# Altium PCB TempdevAmmy1207.PcbDoc (part 4 of 5)
Units mm, origin at the board's own origin, x right, y up, seen from the top; angles counter-clockwise.
Board outline 80.31 x 100.3 mm, 4 copper layers (Top Layer, S1, S2, Bottom Layer), stack 0.603 mm thick; 947 components, 585 nets, 3026 pads, 277 vias.
Unrouted connection lines stored in the file: 1675.
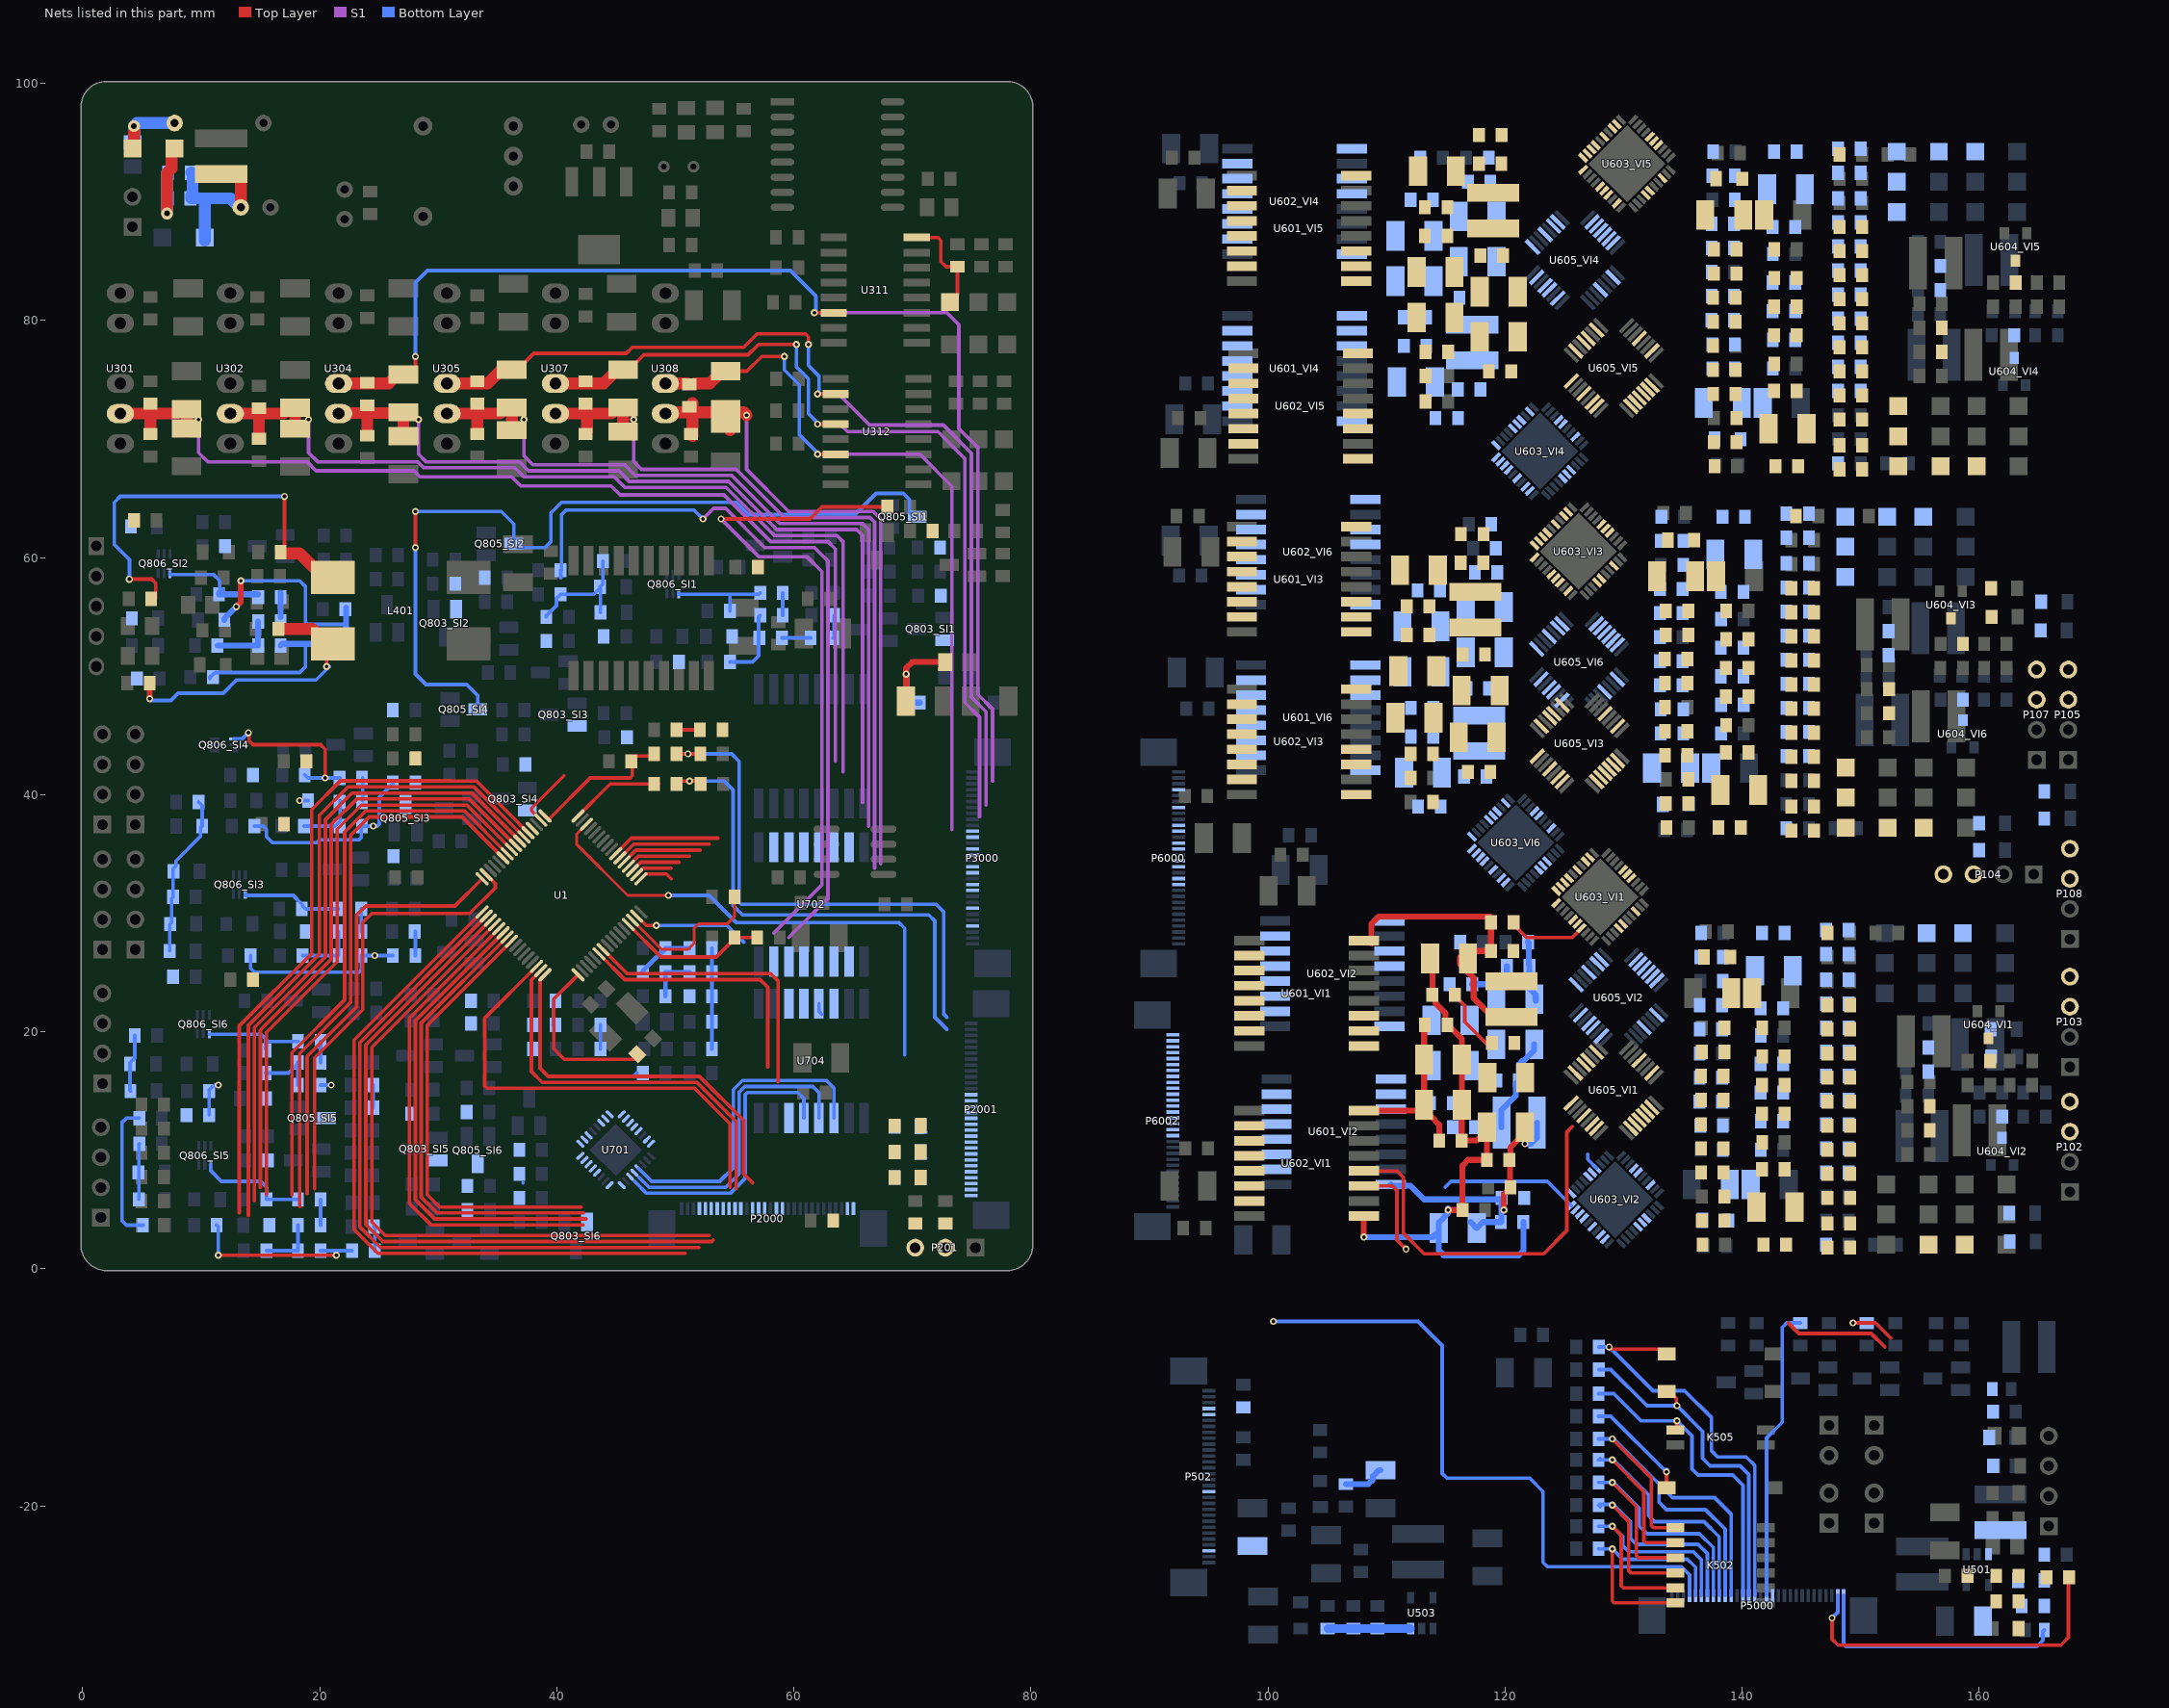
[diagram p5: the nets of this part, all layers, seen from the top]

## Via types
v1: diameter 0.6, hole 0.3, Top Layer to Bottom Layer, 165 vias
v2: diameter 0.5, hole 0.2, Top Layer to Bottom Layer, 96 vias
v3: diameter 0.5, hole 0.3, Top Layer to Bottom Layer, 9 vias
v4: diameter 1, hole 0.5, Top Layer to Bottom Layer, 7 vias

## Nets (pads, with @x,y where several pads share a name; then routed paths per layer and width w, separated by ;. In a path a pad name is that pad's centre, name@x,y a point inside that pad or via, vN(x,y) a via of type N, cw(c..) or ccw(c..) an arc to the next point about the centre after c; other vN are vias at no path point) (continued)
-15V3: C326.1 C328.2 C610_VI3.2 C611_VI3.1 D604_VI3.1 D606_VI3.1 D608_VI3.1 P3000.20 P6000.20 U304.4 U311.6 U603_VI3.29 | length 105.3
  Top Layer w0.3: C328.2@26.563,75.438 C328.2@27.051,75.438 ; C328.2@27.559,75.946 C328.2@27.051,75.438 ; v1(28.067,76.962) 28.067,76.025 27.48,75.438 C328.2@27.051,75.438 ; v1(61.722,80.645) U311.6@63.358,80.645
  Top Layer w1: U304.4@21.59,74.676 25.801,74.676 C328.2@26.563,75.438
  S1 w0.3: v1(61.722,80.645) 72.898,80.645 73.914,79.629 73.914,70.866 75.523,69.257 75.523,48.445 76.751,47.217 76.751,41.148
  Bottom Layer w0.3: v1(28.067,76.962) 28.067,83.185 29.083,84.201 59.69,84.201 61.849,82.042 v1@61.849,80.645
-15V4: C327.1 C329.2 C610_VI4.2 C611_VI4.1 D604_VI4.1 D606_VI4.1 D608_VI4.1 P3000.17 P6000.17 U305.4 U312.2 U603_VI4.29 | length 83.4
  Top Layer w0.3: C329.2@36.195,75.844 36.683,75.844 38.055,77.216 45.847,77.216 46.355,77.724 55.753,77.724 56.896,78.867 60.96,78.867 61.214,78.613 v1(61.214,77.978) ; v1(61.991,73.787) U312.2@63.5,73.787
  Top Layer w1: U305.4@30.734,74.676 34.158,74.676 C329.2@35.367,75.885
  S1 w0.3: v1(61.991,73.787) 63.754,73.787 66.379,71.162 72.602,71.162 74.973,68.791 74.973,48.217 76.201,46.989 76.201,39.115
  Bottom Layer w0.3: v1(61.214,77.978) 61.214,76.2 62.103,75.311 v1@62.103,73.787
-15V5: C342.1 C346.2 C610_VI5.2 C611_VI5.1 D604_VI5.1 D606_VI5.1 D608_VI5.1 P3000.14 P6000.14 U307.4 U312.4 U603_VI5.29 | length 75.1
  Top Layer w0.3: C346.2@45.593,75.844 46.081,75.844 47.326,77.089 56.134,77.089 57.023,77.978 v1(60.198,77.978) ; v1(61.991,71.247) U312.4@63.5,71.247
  Top Layer w1: U307.4@39.878,74.676 43.937,74.676 45.105,75.844 C346.2@45.593,75.844
  S1 w0.3: v1(61.991,71.247) 63.881,71.247 64.516,70.612 72.136,70.612 74.423,68.325 74.423,47.751 75.651,46.523 75.651,38.141
  Bottom Layer w0.3: v1(60.198,77.978) 60.198,76.073 61.214,75.057 61.214,72.136 v1@62.103,71.247
-15V6: C343.1 C347.2 C610_VI6.2 C611_VI6.1 D604_VI6.1 D606_VI6.1 D608_VI6.1 P3000.11 P6000.11 U308.4 U312.6 U603_VI6.29 | length 63.7
  Top Layer w0.3: C347.2@54.229,75.717 56.032,75.717 57.277,76.962 v1(59.182,76.962) ; v1(61.991,68.707) U312.6@63.5,68.707
  Top Layer w1: U308.4@49.149,74.676 51.015,74.676 51.081,74.61 51.574,74.61 51.64,74.676 52.893,74.676 53.479,75.262 53.479,75.455 53.741,75.717 C347.2@54.229,75.717
  S1 w0.3: v1(61.991,68.707) 70.612,68.707 73.323,65.996 73.323,37.04
  Bottom Layer w0.3: v1@59.182,77.089 59.182,75.819 60.452,74.549 60.452,70.358 v1@62.103,68.707
-VS_VI1: C301.2 C303.2 C312.2 C314.1 C609_VI1.2 C610_VI1.1 C611_VI1.2 C612_VI1.2 C614_VI1.2 C616_VI1.1 D601_VI1.1 D602_VI1.1 D603_VI1.1 D603_VI1.2 D606_VI1.2 D607_VI1.1 P102.3 P102.4 P3000.27 P6000.27 R602_VI1.1 R605_VI1.1 R610_VI1.1 R613_VI1.2 R615_VI1.2 R617_VI1.2 R619_VI1.2 R622_VI1.2 R625_VI1.2 U301.5 U603_VI1.5 U603_VI1.6 U604_VI1.3 | length 87.8
  Top Layer w1: U301.5@3.175,72.136 5.715,72.136 ; C303.2@5.715,70.501 5.715,72.136 ; C312.2@5.715,72.882 5.715,72.136 ; C301.2@8.763,70.612 C314.1@8.763,72.517 8.275,72.517 7.894,72.136 5.715,72.136
  S1 w0.3: v1(9.779,71.628) 9.779,68.834 10.541,68.072 18.923,68.072 19.685,67.31 27.94,67.31 28.448,66.802 36.195,66.802 36.957,66.04 44.577,66.04 45.339,65.278 54.102,65.278 58.039,61.341 62.865,61.341 63.5,60.706 63.5,42.799
-VS_VI2: C302.2 C304.2 C313.2 C315.1 C609_VI2.2 C610_VI2.1 C611_VI2.2 C612_VI2.2 C614_VI2.2 C616_VI2.1 D601_VI2.1 D602_VI2.1 D603_VI2.1 D603_VI2.2 D606_VI2.2 D607_VI2.1 P103.3 P103.4 P3000.24 P6000.24 R602_VI2.1 R605_VI2.1 R610_VI2.1 R613_VI2.2 R615_VI2.2 R617_VI2.2 R619_VI2.2 R622_VI2.2 R625_VI2.2 U302.5 U603_VI2.5 U603_VI2.6 U604_VI2.3 | length 80.1
  Top Layer w1: U302.5@12.446,72.136 C313.2@14.859,72.136 ; C304.2@14.859,70.104 C313.2@14.859,72.136 ; C313.2@14.859,72.501 C313.2@14.859,72.136 ; C302.2@17.907,70.866 17.907,72.357 17.645,72.619 17.419,72.619 16.936,72.136 C313.2@14.859,72.136
  S1 w0.3: v1(19.05,71.628) 19.05,68.834 19.812,68.072 28.249,68.072 28.749,67.572 36.441,67.572 37.211,66.802 44.831,66.802 45.72,65.913 54.284,65.913 58.348,61.849 63.627,61.849 64.135,61.341 64.135,41.91
-VS_VI3: C318.2 C320.2 C326.2 C328.1 C609_VI3.2 C610_VI3.1 C611_VI3.2 C612_VI3.2 C614_VI3.2 C616_VI3.1 D601_VI3.1 D602_VI3.1 D603_VI3.1 D603_VI3.2 D606_VI3.2 D607_VI3.1 P104.3 P104.4 P3000.21 P6000.21 R602_VI3.1 R605_VI3.1 R610_VI3.1 R613_VI3.2 R615_VI3.2 R617_VI3.2 R619_VI3.2 R622_VI3.2 R625_VI3.2 U304.5 U603_VI3.5 U603_VI3.6 U604_VI3.3 | length 75.5
  Top Layer w1: U304.5@21.59,72.136 21.641,72.187 24.003,72.187 ; C320.2@24.003,70.358 24.003,72.187 ; C326.2@24.003,72.755 24.003,72.187 ; C318.2@27.051,70.231 27.051,72.136 27,72.187 24.003,72.187
  S1 w0.3: v1(28.321,71.628) 28.321,68.707 28.956,68.072 36.83,68.072 37.592,67.31 45.212,67.31 46.101,66.421 54.483,66.421 58.547,62.357 65.278,62.357 65.786,61.849 65.786,39.37
-VS_VI4: C319.2 C321.2 C327.2 C329.1 C609_VI4.2 C610_VI4.1 C611_VI4.2 C612_VI4.2 C614_VI4.2 C616_VI4.1 D601_VI4.1 D602_VI4.1 D603_VI4.1 D603_VI4.2 D606_VI4.2 D607_VI4.1 P105.3 P105.4 P3000.18 P6000.18 R602_VI4.1 R605_VI4.1 R610_VI4.1 R613_VI4.2 R615_VI4.2 R617_VI4.2 R619_VI4.2 R622_VI4.2 R625_VI4.2 U305.5 U603_VI4.5 U603_VI4.6 U604_VI4.3 | length 69.5
  Top Layer w1: U305.5@30.734,72.136 33.274,72.136 ; C321.2@33.274,70.501 33.274,72.136 ; C327.2@33.274,72.882 33.274,72.136 ; C319.2@36.195,70.739 36.195,72.382 35.933,72.644 35.707,72.644 35.199,72.136 33.274,72.136
  S1 w0.3: v1(37.211,71.628) 37.211,68.58 37.981,67.81 45.728,67.81 46.609,66.929 54.737,66.929 58.801,62.865 65.786,62.865 66.294,62.357 66.294,37.338
-VS_VI5: C334.2 C336.2 C342.2 C346.1 C609_VI5.2 C610_VI5.1 C611_VI5.2 C612_VI5.2 C614_VI5.2 C616_VI5.1 D601_VI5.1 D602_VI5.1 D603_VI5.1 D603_VI5.2 D606_VI5.2 D607_VI5.1 P107.3 P107.4 P3000.15 P6000.15 R602_VI5.1 R605_VI5.1 R610_VI5.1 R613_VI5.2 R615_VI5.2 R617_VI5.2 R619_VI5.2 R622_VI5.2 R625_VI5.2 U307.5 U603_VI5.5 U603_VI5.6 U604_VI5.3 | length 64.9
  Top Layer w1: U307.5@39.878,72.136 42.545,72.136 ; C336.2@42.418,70.501 42.445,70.501 42.545,70.601 42.545,72.136 ; C334.2@45.593,70.612 C346.1@45.593,72.644 45.105,72.644 44.597,72.136 42.545,72.136
  S1 w0.3: v1(46.482,71.628) 46.482,68.072 47.125,67.429 55.126,67.429 59.182,63.373 66.429,63.373 66.81,62.992 66.81,33.79 66.802,33.782
-VS_VI6: C335.2 C337.2 C343.2 C347.1 C609_VI6.2 C610_VI6.1 C611_VI6.2 C612_VI6.2 C614_VI6.2 C616_VI6.1 D601_VI6.1 D602_VI6.1 D603_VI6.1 D603_VI6.2 D606_VI6.2 D607_VI6.1 P108.3 P108.4 P3000.12 P6000.12 R602_VI6.1 R605_VI6.1 R610_VI6.1 R613_VI6.2 R615_VI6.2 R617_VI6.2 R619_VI6.2 R622_VI6.2 R625_VI6.2 U308.5 U603_VI6.5 U603_VI6.6 U604_VI6.3 | length 59.8
  Top Layer w1: U308.5@49.149,72.136 49.264,72.251 51.181,72.251 C343.2@51.435,72.251 ; C337.2@51.435,70.247 C343.2@51.435,72.251 ; C343.2@51.435,73.009 51.435,72.71 C343.2@51.435,72.251 ; C347.1@54.229,72.517 54.491,72.255 55.761,72.255 v1(56.007,72.009) ; C335.2@54.61,70.739 54.61,71.272 C347.1@54.61,72.382 ; C335.2@54.61,71.018 54.61,72.128 54.487,72.251 C343.2@51.435,72.251
  S1 w0.3: v1(56.007,72.009) 56.007,67.437 59.563,63.881 66.675,63.881 67.31,63.246 67.31,34.163
-VSENSE_VI1: R610_VI1.2 U603_VI1.34
-VSENSE_VI2: R610_VI2.2 U603_VI2.34
-VSENSE_VI3: R610_VI3.2 U603_VI3.34
-VSENSE_VI4: R610_VI4.2 U603_VI4.34
-VSENSE_VI5: R610_VI5.2 U603_VI5.34
-VSENSE_VI6: R610_VI6.2 U603_VI6.34
AD0_VI1: R622_VI1.1 R624_VI1.2 U603_VI1.26
AD0_VI2: R622_VI2.1 R624_VI2.2 U603_VI2.26
AD0_VI3: R622_VI3.1 R624_VI3.2 U603_VI3.26
AD0_VI4: R622_VI4.1 R624_VI4.2 U603_VI4.26
AD0_VI5: R622_VI5.1 R624_VI5.2 U603_VI5.26
AD0_VI6: R622_VI6.1 R624_VI6.2 U603_VI6.26
AD1_VI1: R625_VI1.1 R626_VI1.2 U603_VI1.25
AD1_VI2: R625_VI2.1 R626_VI2.2 U603_VI2.25
AD1_VI3: R625_VI3.1 R626_VI3.2 U603_VI3.25
AD1_VI4: R625_VI4.1 R626_VI4.2 U603_VI4.25
AD1_VI5: R625_VI5.1 R626_VI5.2 U603_VI5.25
AD1_VI6: R625_VI6.1 R626_VI6.2 U603_VI6.25
ADC1_VI1: U603_VI1.4
ADC1_VI2: U603_VI2.4
ADC1_VI3: U603_VI3.4
ADC1_VI4: U603_VI4.4
ADC1_VI5: U603_VI5.4
ADC1_VI6: U603_VI6.4
ADC2_VI1: U603_VI1.38
ADC2_VI2: U603_VI2.38
ADC2_VI3: U603_VI3.38
ADC2_VI4: U603_VI4.38
ADC2_VI5: U603_VI5.38
ADC2_VI6: U603_VI6.38
ADC\S\: U701.32 U704.14
ADC_C\S\: U1.34 U704.3 | length 3.1
  Top Layer w0.3: U1.34@46.732,33.246 47.285,33.799 49.64,33.799
ADC_DIN: U1.31 U704.5 | length 10.9
  Top Layer w0.254: U1.31@46.732,29.746 47.522,28.956 v1(48.387,28.956)
  Bottom Layer w0.3: v1(48.387,28.956) 54.356,28.956 55.753,27.559 ; U704.5@62.103,22.352 62.103,21.717 U704.5@62.357,21.463
ADC_DOUT: R201.2 U1.30 U704.6 | length 13.2
  Top Layer w0.254: U1.30@46.379,29.392 48.813,26.958 51.088,26.958 51.562,27.432 51.562,28.702 51.943,29.083 54.356,29.083 54.991,29.718 54.991,31.364 R201.2@54.986,31.369
ADC_SCLK: R202.2 R203.1 U1.29 U704.4 | length 12.8
  Top Layer w0.3: U1.29@46.025,29.039 48.775,26.289 53.44,26.289 54.991,27.84 R202.2@54.991,27.94 R203.1@56.901,27.94
ADDIN: U701.29 U704.12 | length 25.5
  Bottom Layer w0.3: 46.912,7.725 47.771,6.866 54.237,6.866 55.38,8.009 55.38,14.89 55.865,15.375 61.587,15.375 62.103,14.859 U704.12@62.103,12.702
ADDOUT: U701.28 U704.11 | length 27.1
  Bottom Layer w0.3: U701.28@46.885,8.46 47.979,7.366 53.729,7.366 54.88,8.517 54.88,15.097 55.658,15.875 62.738,15.875 63.373,15.24 U704.11@63.373,12.702
ADSCLK: U701.30 U704.13 | length 24.2
  Bottom Layer w0.3: 46.559,7.372 47.564,6.366 54.626,6.366 55.88,7.62 55.88,14.683 56.056,14.859 60.325,14.859 60.833,14.351 U704.13@60.833,12.702
ADSTATUS: P2000.13 P5000.13 R522.1 U1.23 | length 29.2
  Top Layer w0.3: U1.23@43.904,26.918 45.929,24.892 58.039,24.892 58.674,24.257 58.674,15.748 ; v1(149.352,-4.572) 151.257,-4.572 152.535,-5.85
  Bottom Layer w0.3: v1(149.352,-4.572) 149.357,-4.577 R522.1@150.495,-4.577
AIN12: R706.2 R707.2 U701.18 | length 2
  Bottom Layer w0.3: R707.2@39.746,20.574 39.751,20.579 R706.2@39.751,22.606
AIN13: R818_SI1.1 R818_SI2.1 R818_SI3.1 R818_SI4.1 R818_SI5.1 R818_SI6.1 U701.19 | length 11.8
  Bottom Layer w0.3: R818_SI6.1@4.765,12.7 3.683,12.7 3.302,12.319 3.302,4.064 3.683,3.683 R818_SI5.1@5.085,3.683
AVLDO: C618_VI1.1 C618_VI2.1 C618_VI3.1 C618_VI4.1 C618_VI5.1 C618_VI6.1 C620_VI1.1 C620_VI2.1 C620_VI3.1 C620_VI4.1 C620_VI5.1 C620_VI6.1 C625_VI1.1 C625_VI2.1 C625_VI3.1 C625_VI4.1 C625_VI5.1 C625_VI6.1 C627_VI1.1 C627_VI2.1 C627_VI3.1 C627_VI4.1 C627_VI5.1 C627_VI6.1 L603_VI1.1 L603_VI2.1 L603_VI3.1 L603_VI4.1 L603_VI5.1 L603_VI6.1 U603_VI1.12 U603_VI2.12 U603_VI3.12 U603_VI4.12 U603_VI5.12 U603_VI6.12 U605_VI1.23 U605_VI2.23 U605_VI3.23 U605_VI4.23 U605_VI5.23 U605_VI6.23 | length 8.2
  Bottom Layer w0.5: L603_VI2.1@119.682,11.938 119.682,13.388 120.903,14.609 120.903,15.625 C620_VI2.1@121.153,15.875 121.153,17.225 121.497,17.569 121.587,17.569 122.453,18.435 C618_VI2.1@122.453,18.923
AVLDOGND: C618_VI1.2 C618_VI2.2 C618_VI3.2 C618_VI4.2 C618_VI5.2 C618_VI6.2 C620_VI1.2 C620_VI2.2 C620_VI3.2 C620_VI4.2 C620_VI5.2 C620_VI6.2 C623_VI1.1 C623_VI2.1 C623_VI3.1 C623_VI4.1 C623_VI5.1 C623_VI6.1 C625_VI1.2 C625_VI2.2 C625_VI3.2 C625_VI4.2 C625_VI5.2 C625_VI6.2 C627_VI1.2 C627_VI2.2 C627_VI3.2 C627_VI4.2 C627_VI5.2 C627_VI6.2 C629_VI1.1 C629_VI2.1 C629_VI3.1 C629_VI4.1 C629_VI5.1 C629_VI6.1 C630_VI1.1 C630_VI2.1 C630_VI3.1 C630_VI4.1 C630_VI5.1 C630_VI6.1 C632_VI1.2 C632_VI2.2 C632_VI3.2 C632_VI4.2 C632_VI5.2 C632_VI6.2 C633_VI1.2 C633_VI2.2 C633_VI3.2 C633_VI4.2 C633_VI5.2 C633_VI6.2 R614_VI1.1 R614_VI2.1 R614_VI3.1 R614_VI4.1 R614_VI5.1 R614_VI6.1 R628_VI1.2 R628_VI2.2 R628_VI3.2 R628_VI4.2 R628_VI5.2 R628_VI6.2 U605_VI1.26 U605_VI2.26 U605_VI3.26 U605_VI4.26 U605_VI5.26 U605_VI6.26 | length 6.3
  Top Layer w0.3: R614_VI1.1@115.758,23.114 115.758,23.014 116.586,22.186 116.586,20.828 C620_VI1.2@118.745,18.669 ; C620_VI1.2@118.527,19.5 118.877,19.15 C620_VI1.2@118.877,19.05
AVSS: C702.2 C704.2 C705.2 C707.2 C709.1 C710.1 C711.2 C713.2 C801_SI1.2 C801_SI2.2 C801_SI3.2 C801_SI4.2 C801_SI5.2 C801_SI6.2 C802_SI1.1 C802_SI2.1 C802_SI3.1 C802_SI4.1 C802_SI5.1 C802_SI6.1 C803_SI1.2 C803_SI2.2 C803_SI3.2 C803_SI4.2 C803_SI5.2 C803_SI6.2 C805_SI1.2 C805_SI2.2 C805_SI3.2 C805_SI4.2 C805_SI5.2 C805_SI6.2 D801_SI1.1 D801_SI2.1 D801_SI3.1 D801_SI4.1 D801_SI5.1 D801_SI6.1 D802_SI1.1 D802_SI2.1 D802_SI3.1 D802_SI4.1 D802_SI5.1 D802_SI6.1 D804_SI1.1 D804_SI2.1 D804_SI3.1 D804_SI4.1 D804_SI5.1 D804_SI6.1 L702.2 Q803_SI1.3 Q803_SI2.3 Q803_SI3.3 Q803_SI4.3 Q803_SI5.3 Q803_SI6.3 R704.1 R806_SI1.2 R806_SI2.2 R806_SI3.2 R806_SI4.2 R806_SI5.2 R806_SI6.2 R809_SI1.2 R809_SI2.2 R809_SI3.2 R809_SI4.2 R809_SI5.2 R809_SI6.2 R810_SI1.2 R810_SI2.2 R810_SI3.2 R810_SI4.2 R810_SI5.2 R810_SI6.2 R811_SI1.1 R811_SI2.1 R811_SI3.1 R811_SI4.1 R811_SI5.1 R811_SI6.1 R814_SI1.1 R814_SI2.1 R814_SI3.1 R814_SI4.1 R814_SI5.1 R814_SI6.1 U701.23 | length 93.5
  Top Layer w0.3: L702.2@72.755,51.181 L702.2@72.842,51.268
  Top Layer w0.5: v1(12.954,55.853) 13.335,56.234 v1(13.335,58.039) ; C702.2@69.444,47.879 69.469,47.904 69.469,50.673 69.977,51.181 L702.2@72.755,51.181
  Bottom Layer w0.3: D804_SI6.1@4.023,14.986 3.98,15.029 D801_SI6.1@3.98,17.272 3.98,17.372 4.384,17.776 C801_SI6.2@4.384,19.685 ; D804_SI5.1@4.742,5.842 4.742,10.518 C801_SI5.2@4.765,10.541 ; D804_SI3.1@7.325,26.797 7.325,29.042 7.493,29.21 7.493,31.237 C801_SI3.2@7.625,31.369 7.62,31.374 7.62,33.739 7.859,33.978 7.859,34.402 9.921,36.464 9.921,37.185 D801_SI4.1@10.074,37.338 10.074,39.07 C801_SI4.2@9.774,39.37 ; v1(13.335,58.039) 18.288,58.039 18.796,57.531 18.796,54.532 18.972,54.356 22.093,54.356 22.22,54.229 ; v1(18.288,39.497) D802_SI4.1@19.007,39.497 ; C803_SI5.2@20.061,3.683 C802_SI5.1@20.061,5.842 ; C803_SI6.2@20.061,17.399 C802_SI6.1@20.061,19.177 ; C803_SI3.2@23.49,28.448 C802_SI3.1@23.49,30.353 ; C803_SI4.2@23.617,39.497 C802_SI4.1@23.617,41.402 ; R809_SI5.2@24.511,13.589 R814_SI6.1@24.511,15.494 ; R814_SI5.1@24.572,3.556 24.633,3.495 C805_SI5.2@24.633,1.524 ; C805_SI3.2@28.062,26.416 R814_SI3.1@28.062,28.448 ; 37.145,7.244 37.15,7.239 ; R810_SI4.2@39.116,54.991 39.116,55.091 39.97,55.945 39.97,56.546 R810_SI2.2@40.32,56.896 43.112,56.896 43.647,57.431 D801_SI1.1@43.647,57.531 ; C713.2@43.683,18.542 C711.2@43.683,20.574 ; D804_SI1.1@43.688,55.372 43.688,57.49 D801_SI1.1@43.647,57.531 ; C801_SI1.2@43.881,59.69 43.881,57.765 D801_SI1.1@43.647,57.531 ; C710.1@53.081,18.542 R704.1@53.081,20.828 C709.1@53.081,22.987 C705.2@53.081,27.051 ; C803_SI1.2@59.05,55.118 C802_SI1.1@59.05,57.023 ; C805_SI1.2@63.307,53.213 63.368,53.274 R814_SI1.1@63.368,55.118
  Bottom Layer w0.5: D802_SI2.1@11.938,54.737 11.938,54.837 v1(12.954,55.853) ; C803_SI2.2@16.698,54.991 C802_SI2.1@16.698,57.023 ; C805_SI2.2@22.22,52.959 22.22,54.229 R814_SI2.1@22.22,55.753 ; v1(69.469,50.165) 69.469,48.045 69.762,47.752 C704.2@70.617,47.752
BUTTON1: K501.2 P2000.16 P5000.16 R513.2 U1.15 | length 68.5
  Top Layer w0.3: U1.15@38.636,25.15 37.846,24.36 37.846,16.637 38.759,15.724 51.823,15.724 55.118,12.429 55.118,6.731 ; v1(128.778,-6.604) 128.859,-6.604 129.027,-6.772 133.233,-6.772 K501.2@133.633,-7.172
  Bottom Layer w0.3: R513.2@127.889,-6.604 v1(128.778,-6.604) 132.461,-10.287 135.128,-10.287 137.414,-12.573 137.414,-15.367 137.922,-15.875 140.335,-15.875 141.058,-16.598 P5000.16@141.058,-27.559
BUTTON2: K503.2 P2000.17 P5000.17 R514.2 U1.14 | length 68.9
  Top Layer w0.3: U1.14@38.282,25.503 33.909,21.13 33.909,15.4 34.085,15.224 51.616,15.224 54.61,12.23 54.61,6.858 ; K503.2@133.633,-10.347 133.833,-10.347 134.436,-10.95 134.436,-11.5 v1(134.493,-11.557)
  Bottom Layer w0.3: R514.2@127.889,-8.509 128.905,-8.509 131.953,-11.557 v1(134.493,-11.557) 136.652,-13.716 136.652,-16.002 137.287,-16.637 139.827,-16.637 140.558,-17.368 P5000.17@140.558,-27.559
BUTTON3: K504.2 P2000.20 P5000.20 R515.2 U1.8 | length 61.7
  Top Layer w0.3: U1.8@36.161,27.625 29.059,20.523 29.059,6.247 30.099,5.207 42.026,5.207 ; v1(133.604,-17.145) 133.604,-18.446 K504.2@133.633,-18.475
  Bottom Layer w0.3: R515.2@127.884,-12.446 128.905,-12.446 133.42,-16.961 133.674,-16.961 133.604,-17.03 v1(133.604,-17.145) 133.604,-18.796 134.112,-19.304 137.668,-19.304 139.058,-20.694 P5000.20@139.058,-27.559
BUTTON4: K505.3 P2000.18 P5000.18 R516.2 U1.7 | length 66.3
  Top Layer w0.3: U1.7@35.807,27.978 28.559,20.73 28.559,6.04 29.892,4.707 42.233,4.707 ; K505.3@134.366,-13.589 134.493,-13.462 v1(134.493,-12.827)
  Bottom Layer w0.3: R516.2@127.884,-10.541 129.159,-10.541 131.445,-12.827 v1(134.493,-12.827) 135.763,-14.097 135.763,-16.891 136.271,-17.399 139.192,-17.399 140.058,-18.265 P5000.18@140.058,-27.559
BUTTON5A: K502.12 P2000.26 P5000.26 R507.2 U1.6 | length 61.6
  Top Layer w0.3: U1.6@35.454,28.332 28.059,20.937 28.059,5.833 29.685,4.207 42.44,4.207 ; v1(129.032,-23.622) 129.032,-28.018 129.208,-28.194 K502.12@134.366,-28.194
  Bottom Layer w0.3: R507.2@127.884,-23.622 v1(129.032,-23.622) 129.921,-24.511 135.382,-24.511 136.058,-25.187 P5000.26@136.058,-27.559
BUTTON5B: K502.11 P2000.25 P5000.25 R508.2 U1.5 | length 65
  Top Layer w0.3: U1.5@35.1,28.685 27.559,21.144 27.559,5.51 29.362,3.707 42.197,3.707 ; v1(129.032,-21.717) 129.794,-22.479 129.794,-26.748 129.97,-26.924 K502.11@134.366,-26.924
  Bottom Layer w0.3: R508.2@127.884,-21.717 v1(129.032,-21.717) 129.921,-22.606 129.921,-23.368 130.429,-23.876 135.89,-23.876 136.558,-24.544 P5000.25@136.558,-27.559
BUTTON5C: K502.10 P2000.24 P5000.24 R509.2 U1.4 | length 83.9
  Top Layer w0.3: U1.4@34.747,29.039 24.384,18.676 24.384,3.937 25.527,2.794 52.853,2.794 ; v1(129.032,-19.939) 130.429,-21.336 130.429,-25.478 130.605,-25.654 K502.10@134.366,-25.654
  Bottom Layer w0.3: R509.2@128.023,-20.078 R509.2@127.884,-19.939 127.948,-19.875 129.095,-19.875 130.556,-21.336 130.556,-22.733 131.064,-23.241 136.271,-23.241 137.058,-24.028 P5000.24@137.058,-27.559
BUTTON5D: K502.9 P2000.23 P5000.23 R510.2 U1.3 | length 87.2
  Top Layer w0.3: U1.3@34.393,29.392 23.884,18.883 23.884,3.73 25.32,2.294 53.06,2.294 53.177,2.412 ; v1(129.032,-18.034) 131.064,-20.066 131.064,-24.208 131.24,-24.384 K502.9@134.366,-24.384
  Bottom Layer w0.3: R510.2@127.884,-18.034 v1(129.032,-18.034) 129.159,-18.034 131.318,-20.193 131.318,-21.717 131.953,-22.352 136.398,-22.352 137.558,-23.512 P5000.23@137.558,-27.559
BUTTON5E: K502.8 P2000.22 P5000.22 R511.2 U1.2 | length 89.6